# Altium PCB Health Bracelet PCB.PcbDoc
Units mm, origin at the board's own origin, x right, y up, seen from the top; angles counter-clockwise.
Board outline 44.2 x 36.01 mm, 2 copper layers (Top Layer, Bottom Layer); 87 components, 72 nets, 385 pads, 151 vias.
Unrouted connection lines stored in the file: 189.
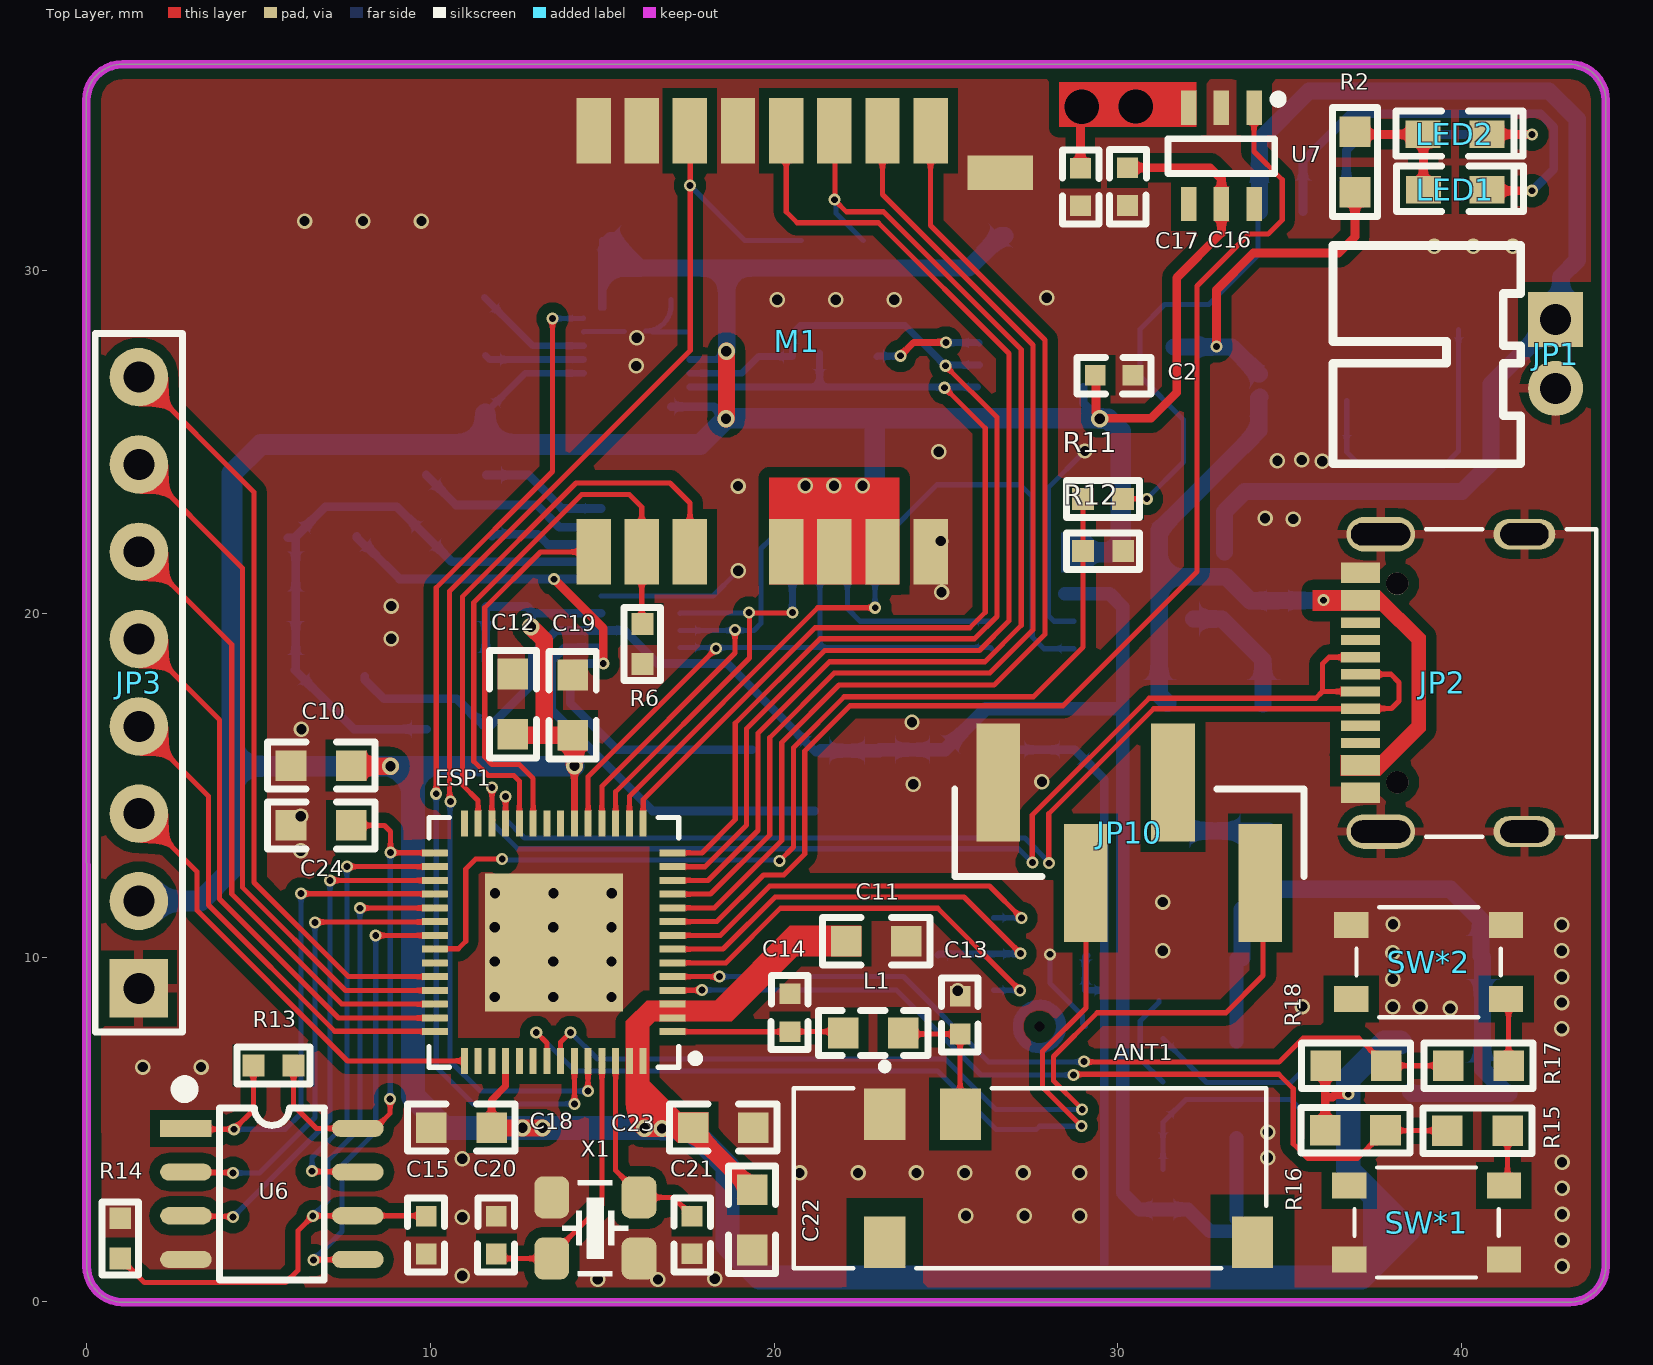
[diagram p0: Top Layer view]
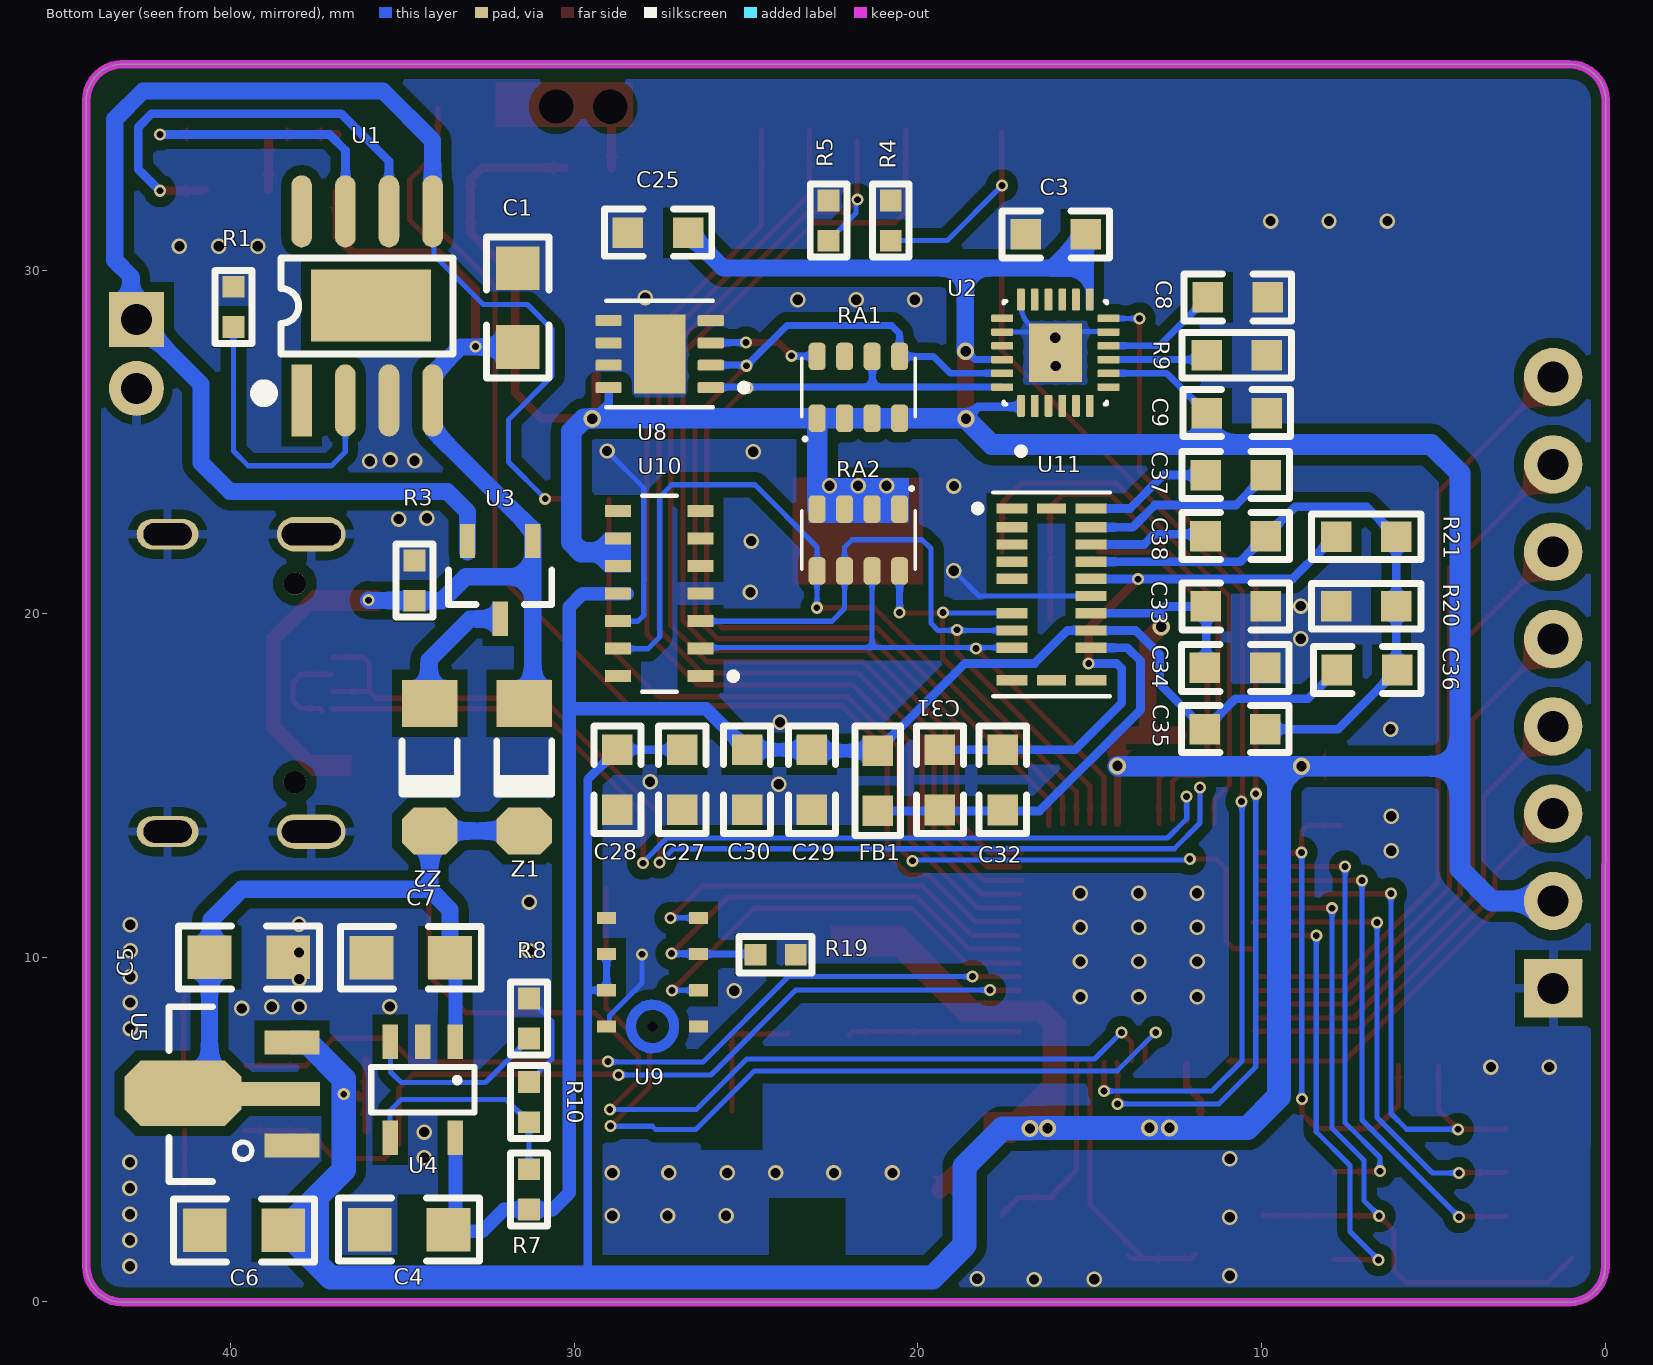
[diagram p1: Bottom Layer view, seen from below]

## Layer stack, top to bottom
Top Solder: solder mask 0.0102, Solder Resist, Dk 3.5
Top Layer: signal copper 0.0356
Dielectric 1: dielectric 0.32, FR-4, Dk 4.8
Bottom Layer: signal copper 0.0356
Bottom Solder: solder mask 0.0102, Solder Resist, Dk 3.5

## Board outline
0,1.04 -0.01,24.45 -0.01,34.94 cw(c1.045,34.935) 1.05,35.99 43.17,35.99 43.14,35.99 cw(c43.135,34.935) 44.19,34.93 44.19,34.97 44.19,0.99 44.19,1.03 cw(c43.135,1.035) 43.13,-0.02 43.14,-0.02 1.02,-0.02 1.05,-0.02 cw(c1.055,1.035)

## Design rules (kind name [scope] priority, off if disabled: settings)
Clearance Clearance_1 [InNamedPolygon('GND_L01_P000') Or InNamedPolygon('GND_L02_P001')] p1: gap=0.3 ignorepadtopadclearanceinfootprint=FALSE
Clearance [InNamedPolygon('GND_L01_P002') Or InNamedPolygon('GND_L02_P003')] p2: gap=0.15 ignorepadtopadclearanceinfootprint=FALSE
Clearance Track-Pad [All] p3: gap=0.1 ignorepadtopadclearanceinfootprint=FALSE
ComponentClearance [All] p1: gap=0 collisioncheckmode=3 verticalgap=0 showdistances=FALSE
PolygonConnect PolygonConnect_3 [All vs IsNamedPolygon('GND_L01_P000') Or IsNamedPolygon('GND_L02_P001')] p1: thpad.connectstyle=Relief thpad.reliefconductorwidth=0.254 thpad.reliefentries=4 thpad.polygonreliefangle="90 Angle" thpad.airgapwidth=0.254 smdpad.connectstyle=Direct smdpad.reliefconductorwidth=0.254 smdpad.reliefentries=4 smdpad.polygonreliefangle="90 Angle" smdpad.airgapwidth=0.254 via.connectstyle=Direct via.reliefconductorwidth=0.254 via.reliefentries=4 via.polygonreliefangle="90 Angle" via.airgapwidth=0.254
PolygonConnect PolygonConnect_2 [All vs IsNamedPolygon('GND_L01_P002') Or IsNamedPolygon('GND_L02_P003')] p2: connectstyle=Direct reliefconductorwidth=0.254 reliefentries=4 polygonreliefangle="90 Angle" airgapwidth=0.254
PolygonConnect PolygonConnect_1 [All vs IsNamedPolygon('GND_L01_P000') Or IsNamedPolygon('NONET_L01_P001')] p3: connectstyle=Direct reliefconductorwidth=0.254 reliefentries=4 polygonreliefangle="90 Angle" airgapwidth=0.254
PolygonConnect [All] p4: connectstyle=Direct reliefconductorwidth=0.254 reliefentries=4 polygonreliefangle="90 Angle" airgapwidth=0.254
RoutingVias [All] p1: holewidth=0.2 width=0.35 viastyle="Through Hole" minholewidth=0.2 minwidth=0.35 maxholewidth=0.5 maxwidth=0.9
SolderMaskExpansion [All] p1: expansion=0.102 istentingtop=FALSE
UnRoutedNet [All] p1: checkbadconnections=TRUE
Width [All] p1: maxlimit=0.9 minlimit=0.15 preferedwidth=0.254
28 further rules are at their usual default settings.

## Components (designator, comment, footprint, x,y, rotation, side; value= is the part's Value field where it differs from the comment)
ANT1 "PRO-OB-440" PRO-OB-440 27.62,3.74 r90 top
C1 "1uF" "C 0805" 31.64,28.91 r90 bottom
C2 "0.1uF" "C 0402" 29.89,26.94 r180 top
C3 "0.1uF" "C 0603" 16,31.04 r0 bottom
C4 "1uF" "C 0805" 34.797,2.09 r0 bottom
C5 "1uF" "C 0805" 39.46,10.01 r180 bottom
C6 "1uF" "C 0805" 39.6,2.07 r0 bottom
C7 "1uF" "C 0805" 34.75,10 r0 bottom
C8 "0.1uF" "C 0603" 10.68,29.21 r180 bottom
C9 "0.01uF" "C 0603" 10.71,25.84 r180 bottom
C10 "10uF" "C 0603" 6.81,15.59 r180 top
C11 "0.1uF" "C 0603" 22.98,10.48 r0 top
C12 "0.1uF" "C 0603" 12.4,17.39 r90 top
C13 "=Value" "C 0402" 25.41,8.33 r90 top
C14 "=Value" "C 0402" 20.46,8.4 r90 top
C15 "1uf" "C 0402" 9.88,1.93 r90 top
C16 "30pF" "C 0402" 30.28,32.43 r270 top
C17 "100nF" "C 0402" 28.91,32.42 r270 top
C18 "0.1uF" "C 0603" 10.89,5.06 r180 top
C19 "0.1uF" "C 0603" 14.14,17.36 r90 top
C20 "=Value" "C 0402" 11.92,1.93 r90 top
C21 "=Value" "C 0402" 17.61,1.934 r270 top
C22 "1uf" "C 0603" 19.36,2.361 r270 top
C23 "10nF" "C 0603" 18.53,5.06 r0 top
C24 "1uF" "C 0603" 6.81,13.85 r180 top
C25 "0.1uF" "C 0603" 27.57,31.09 r0 bottom
C27 "0.1uF" "C 0603" 26.854,15.164 r270 bottom
C28 "10uF" "C 0603" 28.74,15.164 r270 bottom
C29 "4.7uF" "C 0603" 23.082,15.164 r270 bottom
C30 "0.1uF" "C 0603" 24.968,15.164 r270 bottom
C31 "4.7uF" "C 0603" 19.36,15.16 r270 bottom
C32 "0.1uF" "C 0603" 17.53,15.16 r270 bottom
C33 "0.1uF" "C 0603" 10.74,20.22 r180 bottom
C34 "10uF" "C 0603" 10.76,18.43 r180 bottom
C35 "0.1uF" "C 0603" 10.76,16.65 r180 bottom
C36 "4.7uF" "C 0603" 6.92,18.37 r180 bottom
C37 "1uF" "C 0603" 10.74,24.04 r180 bottom
C38 "1uF" "C 0603" 10.744,22.265 r180 bottom
ESP1 "U?" "ESP32-S3 CHIP" 13.31,10.55 r180 top
FB1 "=Value" "F 0603" 21.171,15.16 r90 bottom
JP1 "HDR-1X2" PH2.0-2P_H 42.73,28.56 r270 top
JP2 "USB-C" USB-C-RIGHT 40.99,17.74 r90 top locked
JP3 "HDR-1X8" HDR-1X8_M 1.52,9.11 r90 top locked
JP10 "HDR-1X4" HDR-4X1-SMD 30.46,13.76 r180 top
L1 "?uH" "L 0603" 22.87,7.81 r180 top
LED1 "LED-SMD" "LED 0603R" 39.813,32.339 r0 top
LED2 "LED-SMD" "LED 0603G" 39.803,33.949 r0 top
M1 "DWM1000" DWM1000 15.255,27.501 r90 top
R1 "?" "R 0402" 39.9,28.93 r90 bottom
R2 "1K" "R 0603" 36.897,33.16 r90 top
R3 "10K" "R 0402" 34.65,20.97 r270 bottom
R4 "10K" "R 0402" 20.78,31.44 r90 bottom
R5 "10K" "R 0402" 22.59,31.44 r90 bottom
R6 "10K" "R 0402" 16.16,19.13 r270 top
R7 "22.5K" "R 0402" 31.307,3.26 r90 bottom
R8 "10K" "R 0402" 31.307,8.232 r90 bottom
R9 "10K" "R 0603" 10.71,27.52 r180 bottom
R10 "18K" "R 0402" 31.307,5.797 r90 bottom
R11 "=Value" "R 0402" 29.57,23.35 r180 top
R12 "=Value" "R 0402" 29.57,21.82 r0 top
R13 "10K" "R 0402" 5.44,6.87 r180 top
R14 "10K" "R 0402" 0.97,1.84 r270 top
R15 "1K" "R 0603-HP" 40.47,4.97 r0 top
R16 "10K" "R 0603-HP" 36.92,4.98 r0 top
R17 "1K" "R 0603-HP" 40.5,6.86 r0 top
R18 "10K" "R 0603-HP" 36.94,6.86 r0 top
R19 "100K" "R 0402" 24.14,10.08 r180 bottom
R20 "0" "R 0603" 6.944,20.22 r180 bottom
R21 "0" "R 0603" 6.97,22.25 r0 bottom
RA1 "10K" "RA1206 (4x0603)" 21.73,26.59 r90 bottom
RA2 "=Value" "RA1206 (4x0603)" 21.73,22.15 r270 bottom
SW*1 "3x3x1.5" "TSW SMD-3*3" 38.98,2.17 r0 top
SW*2 "3x3x1.5" "TSW SMD-3*3" 39.04,10 r180 top
U1 "XT2052Y2ASR" SOP8_M-EP 36.02,28.96 r90 bottom
U2 "MPU9250" QFN40-25N 16.711,27.397 r90 bottom
U3 "IRLML6402" SOT23-3L 32.15,20.98 r0 bottom
U4 "AP2127K-ADJ" SOT23-5L 34.4,6.16 r0 bottom
U5 "RT9166A" SOT89_M 40.262,6.035 r90 bottom
U6 "24Cxx" SOP8_L 5.39,3.13 r0 top
U7 "TTP223" SOT23-6L 33.01,33.323 r180 top
U8 "MAX30205" MAX30205 27.544,27.571 r0 bottom
U9 "ADMP441" ADMP441 28.393,10.908 r270 bottom
U10 "MAX30102" MAX30102 27.52,20.59 r0 bottom
U11 "MAX86150" MAX86150 16.11,20.57 r180 bottom
X1 "40M" XTAL-3225-4 14.8,2.14 r180 top
Z1 "US1NWF-7" DO-213AA 31.45,15.545 r270 bottom
Z2 "US1NWF-7" DO-213AA 34.2,15.545 r270 bottom

## Footprints (in the part's own frame and the unit in brackets; to place one, negate y for a bottom-side part, rotate by r counter-clockwise, add the part's x,y. Pads: shape width x height; smd on the part's side, far side on the other; paste and mask are expansions set on the pad)
ADMP441 [mil]
  rect 13.78x21.65 smd: 1(-10,79) 2(31.5,79) 3(73,79) 4(114.5,79) 5(114.5,-26) 6(73,-26) 7(31.5,-26) 8(-10,-26)
  round 0 hole 11.81: 9(114.5,26.5)
  Top Layer circle w11.81: c114.5,26.5 r24.8
"C 0402" [mm] "ï¿½Þ¼ï¿½ï¿½ï¿½ï¿½ï¿½Æ¬ï¿½ï¿½ï¿½ï¿½"
  rect 0.6x0.6 smd: 1(-0.55,0) 2(0.55,0)
  silkscreen extent -1.08,-0.53 1.08,0.55, body extent -0.5,-0.26 0.5,0.26, height 0.51
"C 0603" [mil] "ï¿½Þ¼ï¿½ï¿½ï¿½ï¿½ï¿½Æ¬ï¿½ï¿½ï¿½ï¿½"
  rect 35x35 smd: 1(-35,0) 2(34,0)
  silkscreen extent -62,-27 61,27, body extent -31,-16 31,16, height 32
"C 0805" [mil] "ï¿½Þ¼ï¿½ï¿½ï¿½ï¿½ï¿½Æ¬ï¿½ï¿½ï¿½ï¿½"
  rect 50x50 smd: 1(-45,0) 2(45,0)
  silkscreen extent -81,-36 81,36, body extent -39,-24 39,24, height 20
DO-213AA [mm] "1.5*3.5mm(Ö±¾¶£¬½Å¾à£©"
  rect 1.37x1.62 smd: 1(-1.855,0)
  oct 1.37x1.62 smd: 2(1.855,0)
  silkscreen extent -0.76,-0.8 0.78,0.8, body extent -1.75,-0.75 1.75,0.75, height 1.53
DWM1000 [mm]
  rect 1.905x1 smd: 1(-5.696,0.505) 2(-5.696,-0.895) 3(-5.696,-2.295) 5(-5.696,-5.095) 6(-5.696,-6.495) 7(-5.696,-7.895) 8(-5.696,-9.295) 17(6.559,-9.295) 18(6.559,-7.895) 19(6.559,-6.495) 20(6.559,-5.095) 21(6.559,-3.695) 22(6.559,-2.295) 23(6.559,-0.895) 24(6.559,0.505)
  rect 1x1.905 smd: 16(5.332,-11.318)
  body extent -6.19,-11.89 7.01,11.11, height 2.9
"ESP32-S3 CHIP" [mil]
  rect 30x8 smd paste+0 mask+0: 1(-147,106.36) 2(-147,90.61) 3(-147,74.87) 4(-147,59.12) 5(-147,43.37) 6(-147,27.62) 7(-147,11.87) 8(-147,-3.87) 9(-147,-19.62) 10(-147,-35.37) 11(-147,-51.12) 12(-147,-66.87) 13(-147,-82.61) 14(-147,-98.36) 29(125,-98.36) 30(125,-82.61) 31(125,-66.87) 32(125,-51.12) 33(125,-35.37) 34(125,-19.62) 35(125,-3.87) 36(125,11.87) 37(125,27.62) 38(125,43.37) 39(125,59.12) 40(125,74.87) 41(125,90.61) 42(125,106.36)
  rect 8x30 smd paste+0 mask+0: 15(-113.36,-132) 16(-97.61,-132) 17(-81.87,-132) 18(-66.12,-132) 19(-50.37,-132) 20(-34.62,-132) 21(-18.87,-132) 22(-3.13,-132) 23(12.62,-132) 24(28.37,-132) 25(44.12,-132) 26(59.87,-132) 27(75.61,-132) 28(91.36,-132) 43(91.36,140) 44(75.61,140) 45(59.87,140) 46(44.12,140) 47(28.37,140) 48(12.62,140) 49(-3.13,140) 50(-18.87,140) 51(-34.62,140) 52(-50.37,140) 53(-66.12,140) 54(-81.87,140) 55(-97.61,140) 56(-113.36,140)
  rect 158x158 smd paste-78.5 mask+0: 57(-11,4)
  silkscreen extent -177,-139 132,147, body extent -150,-135 128,143, height 35
"F 0603" [mil]
  rect 35x35 smd: 1(-35,0) 2(34,0)
  silkscreen extent -63,-26 62,26, body extent -31,-16 31,16, height 16
HDR-1X8_M [mm] "ï¿½ï¿½Ä¸ï¿½ï¿½8ï¿½ï¿½"
  rect 1.7x1.7 hole 0.9: 1(0,0)
  round 1.7 hole 0.9: 2(2.54,0) 3(5.08,0) 4(7.62,0) 5(10.16,0) 6(12.7,0) 7(15.24,0) 8(17.78,0)
  silkscreen extent -1.27,-1.27 19.05,1.27, body extent -1.27,-1.27 19.05,1.27, height 8.5
HDR-4X1-SMD [mm]
  rect 1.27x3.43 smd: 1(3.937,-1.333) 2(1.397,1.587) 3(-1.143,-1.333) 4(-3.683,1.587)
  silkscreen extent -4.95,-1.14 5.21,1.4, body extent -4.83,-2.6 5.33,2.6, height 14.51
"L 0603" [mil] "Ð¡¹¦ÂÊÌùÆ¬µç¸Ð"
  rect 35x35 smd: 1(-35,0) 2(34,0)
  silkscreen extent -63,-26 62,26, body extent -31,-16 31,16, height 31
"LED 0603G" [mm] "ï¿½ï¿½É«0603LED"
  rect 1.016x0.8 smd: 1(-0.927,0) 2(0.927,0)
  silkscreen extent -1.71,-0.64 1.98,0.69, body extent -0.8,-0.4 0.8,0.4, height 0.61
"LED 0603R" [mm] "ï¿½ï¿½É«0603LED"
  rect 1.016x0.8 smd: 1(-0.927,0) 2(0.927,0)
  silkscreen extent -1.71,-0.63 1.98,0.69, body extent -0.8,-0.4 0.8,0.4, height 0.61
MAX30102 [mm]
  rect 0.75x0.35 smd: 1(-1.2,2.4) 2(-1.2,1.6) 3(-1.2,0.8) 4(-1.2,0) 5(-1.2,-0.8) 6(-1.2,-1.6) 7(-1.2,-2.4) 8(1.2,-2.4) 9(1.2,-1.6) 10(1.2,-0.8) 11(1.2,0) 12(1.2,0.8) 13(1.2,1.6) 14(1.2,2.4)
  silkscreen extent -2.25,-2.85 0.51,2.85, body extent -1.65,-2.8 1.65,2.8, height 1.65
MAX30205 [mm] "Body Temp"
  rrect25% 0.76x0.32 smd: 1(-1.519,0.986) 2(-1.519,0.336) 3(-1.519,-0.314) 4(-1.519,-0.964) 5(1.451,-0.964) 6(1.451,-0.314) 7(1.451,0.336) 8(1.451,0.986)
  rect 1.5x2.3 smd paste-2: 9(-0.034,0.011)
  silkscreen extent -2.58,-1.54 1.52,1.56, body extent -1.53,-1.49 1.47,1.51, height 0.8
MAX86150 [mm]
  rect 0.9x0.3 smd: 1(-1.15,2.5) 2(-1.15,1.95) 3(-1.15,1.45) 4(-1.15,0.95) 5(-1.15,0.45) 7(-1.15,-0.55) 8(-1.15,-1.05) 9(-1.15,-1.55) 10(-1.15,-2.5) 12(1.15,-2.5) 13(1.15,-1.55) 14(1.15,-1.05) 15(1.15,-0.55) 16(1.15,-0.05) 17(1.15,0.45) 18(1.15,0.95) 19(1.15,1.45) 20(1.15,1.95) 21(1.15,2.5)
  rect 0.9x0 smd: 6(-1.15,-0.05)
  rect 0.85x0.3 smd: 11(0,-2.5) 22(0,2.5)
  silkscreen extent -2.25,-2.96 1.7,2.96, body extent -1.65,-2.85 1.65,2.75, height 1.4
PH2.0-2P_H [mm] "½Ó²å¼þ/1A"
  rect 1.6x1.6 hole 0.9: 1(0,0)
  round 1.6 hole 0.9: 2(2,0)
  silkscreen extent -2.16,-6.48 4.19,-1.02, body extent -1.95,-6.3 3.95,0.3, height 4.72
PRO-OB-440 [mm]
  rect 1.5x1.2 smd: 1(1.713,4.403) 2(1.713,2.203) 3(-2.017,4.403) 4(-2.017,-6.297)
  Multi-Layer pour cut-out: -3.417,-5.072 -3.417,-7.522 -0.617,-7.522 -0.617,-5.072
  Multi-Layer pour cut-out: 0.663,3.103 0.663,1.303 2.763,1.303 2.763,3.103
  Multi-Layer pour cut-out: -3.317,5.528 -3.317,3.278 -0.717,3.278 -0.717,5.528
  silkscreen extent -2.77,-6.7 3.2,7.05, body extent -2.77,-6.7 2.46,7.05, height 3.53
QFN40-25N [mm]
  rrect25% 0.64x0.22 smd: 1(-1.342,0.289) 2(-1.342,-0.111) 3(-1.342,-0.511) 4(-1.342,-0.911) 5(-1.342,-1.311) 6(-1.342,-1.711) 13(1.748,-1.711) 14(1.748,-1.311) 15(1.748,-0.911) 16(1.748,-0.511) 17(1.748,-0.111) 18(1.748,0.289)
  rrect25% 0.22x0.64 smd: 7(-0.797,-2.256) 8(-0.397,-2.256) 9(0.003,-2.256) 10(0.403,-2.256) 11(0.803,-2.256) 12(1.203,-2.256) 19(1.203,0.834) 20(0.803,0.834) 21(0.403,0.834) 22(0.003,0.834) 23(-0.397,0.834) 24(-0.797,0.834)
  rect 1.7x1.54 smd paste-2: 25(0.203,-0.711)
  silkscreen extent -2.76,-2.21 1.7,0.79, body extent -1.3,-2.21 1.7,0.79, height 1
"R 0402" [mm] "1/16Wï¿½ï¿½Æ¬ï¿½ï¿½ï¿½ï¿½"
  rect 0.635x0.635 smd: 1(-0.582,0.007) 2(0.587,0.007)
  silkscreen extent -1.06,-0.53 1.06,0.54, body extent -0.5,-0.24 0.5,0.26, height 0.3
"R 0603" [mil] "1/10Wï¿½ï¿½Æ¬ï¿½ï¿½ï¿½ï¿½"
  rect 35x35 smd: 1(-35,0) 2(34,0)
  silkscreen extent -63,-26 62,26, body extent -31,-16 32,16, height 16
"R 0603-HP" [mil] "1/10Wï¿½ß¾ï¿½ï¿½ï¿½ï¿½ï¿½Æ¬ï¿½ï¿½ï¿½ï¿½"
  rect 35x35 smd: 1(-35,0) 2(34,0)
  silkscreen extent -63,-26 62,26, body extent -31,-16 32,16, height 16
"RA1206 (4x0603)" [mm]
  rrect50% 0.8x0.5 smd: 1(-0.9,1.2) 2(-0.9,0.4) 3(-0.9,-0.4) 4(-0.9,-1.2) 5(0.9,-1.2) 6(0.9,-0.4) 7(0.9,0.4) 8(0.9,1.2)
  silkscreen extent -1.55,-1.65 0.85,1.65, body extent -0.8,-1.6 0.8,1.6, height 0.5
SOP8_L [mm] "5*6*1.8mm£¨³¤¿í¸ß£©"
  rect 1.5x0.5 smd: 1(-2.5,1.905)
  oval 1.5x0.5 smd: 2(-2.5,0.635) 3(-2.5,-0.635) 4(-2.5,-1.905) 5(2.5,-1.905) 6(2.5,-0.635) 7(2.5,0.635) 8(2.5,1.905)
  silkscreen extent -2.69,-2.5 1.52,3.2, body extent -3,-2.5 3,2.5, height 1.9
SOP8_M-EP [mm] "5*6*1.8mm£¨³¤¿í¸ß£©"
  rect 2.1x0.6 smd: 1(-2.75,1.905)
  oval 2.1x0.6 smd: 2(-2.75,0.635) 3(-2.75,-0.635) 4(-2.75,-1.905) 5(2.75,-1.905) 6(2.75,-0.635) 7(2.75,0.635) 8(2.75,1.905)
  rect 2.1x3.5 smd: 9(0.01,-0.113)
  silkscreen extent -2.69,-2.5 1.4,3.15, body extent -3,-2.5 3,2.5, height 1.9
SOT23-3L [mm] "3x1.3x1mm(ï¿½ï¿½ï¿½ï¿½ï¿½)"
  rect 0.45x1 smd: 1(-0.95,-1.143) 2(0.95,-1.143) 3(0,1.125)
  silkscreen extent -1.5,-0.3 1.5,0.7, body extent -1.5,-1.2 1.5,1.2, height 1.05
SOT23-5L [mm] "3x1.6x1.1mm(ï¿½ï¿½ï¿½ï¿½ï¿½)"
  rect 0.45x1 smd: 1(-0.95,-1.4) 2(0,-1.4) 3(0.95,-1.4) 4(0.95,1.4) 5(-0.95,1.4)
  silkscreen extent -1.5,-0.66 1.5,0.66, body extent -1.5,-1.4 1.5,1.4, height 1.15
SOT23-6L [mm] "3x1.6x1.1mm(ï¿½ï¿½ï¿½ï¿½ï¿½)"
  rect 0.45x1 smd: 1(-0.95,-1.397) 2(0,-1.397) 3(0.95,-1.397) 4(0.95,1.397) 5(0,1.397) 6(-0.95,1.397)
  silkscreen extent -1.78,-1.78 1.55,0.51, body extent -1.5,-1.4 1.5,1.4, height 1.15
SOT89_M [mm] "4.6x4.3x1.6mm(ï¿½ï¿½ï¿½ï¿½ï¿½)"
  rect 0.7x1.6 smd: 1(-1.5,-2.054) 3(1.5,-2.054)
  rect 0.7x2.4 smd: 2(0,-1.676)
  oct 1.9x3.4 smd: 2(0.025,1.118)
  silkscreen extent -2.54,-0.89 2.54,1.52, body extent -2.3,-2.4 2.3,1.9, height 1.6
"TSW SMD-3*3" [mm]
  rect 1x0.75 smd: 1(-2.25,-0.948) 1(2.25,-0.948) 2(-2.25,1.202) 2(2.25,1.202)
  silkscreen extent -2.1,-1.47 2.1,1.73, body extent -2.25,-1.47 2.25,1.73, height 2.5
USB-C-RIGHT [mm]
  rect 0.3x1.14 smd: A1(-3.096,3.937) A4(-2.296,3.937) A5(-0.996,3.937) A6(0.004,3.937) A7(0.504,3.937) A8(1.504,3.937) A9(2.804,3.937) A12(3.604,3.937) B1(3.304,3.937) B4(2.504,3.937) B5(2.004,3.937) B6(1.004,3.937) B7(-0.496,3.937) B8(-1.496,3.937) B9(-1.996,3.937) B12(-2.796,3.937)
  oval 1x2 hole 0.65 slot 1.72 at 90 deg: S1(-4.071,3.347) S2(4.579,3.347)